# KiCad board S13552_64Ch_Adapter_BGA2803_V2-Pannel.kicad_pcb (continued)
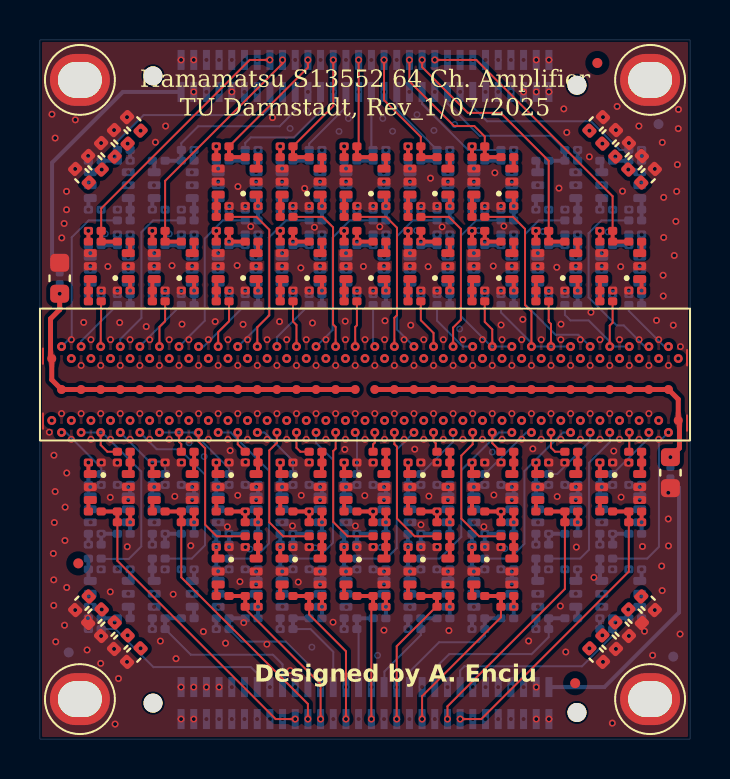
[diagram p0: board, top side]
## Placement (name value [footprint] x y rotation side) (continued)
U27  BGA2803  [SOT-363_SC-70-6_BGA2803]  13.07 12.62 0 top
U28  BGA2803  [SOT-363_SC-70-6_BGA2803]  22.67 8.39 0 top
U29  BGA2803  [SOT-363_SC-70-6_BGA2803]  3.47 12.62 0 top
U30  BGA2803  [SOT-363_SC-70-6_BGA2803]  16.27 12.62 0 top
U31  BGA2803  [SOT-363_SC-70-6_BGA2803]  16.27 7.27 180 bottom
U32  BGA2803  [SOT-363_SC-70-6_BGA2803]  3.47 11.5 180 bottom
U33  BGA2803  [SOT-363_SC-70-6_BGA2803]  19.47 7.27 180 bottom
U34  BGA2803  [SOT-363_SC-70-6_BGA2803]  19.47 23.5 0 bottom
U35  BGA2803  [SOT-363_SC-70-6_BGA2803]  19.47 11.5 180 bottom
U36  BGA2803  [SOT-363_SC-70-6_BGA2803]  6.67 7.27 180 bottom
U37  BGA2803  [SOT-363_SC-70-6_BGA2803]  13.07 11.5 180 bottom
U38  BGA2803  [SOT-363_SC-70-6_BGA2803]  19.47 27.73 0 bottom
U39  BGA2803  [SOT-363_SC-70-6_BGA2803]  3.47 27.73 0 bottom
U40  BGA2803  [SOT-363_SC-70-6_BGA2803]  22.67 11.5 180 bottom
U41  BGA2803  [SOT-363_SC-70-6_BGA2803]  16.27 23.5 0 bottom
U42  BGA2803  [SOT-363_SC-70-6_BGA2803]  29.07 23.5 0 bottom
U43  BGA2803  [SOT-363_SC-70-6_BGA2803]  9.87 11.5 180 bottom
U44  BGA2803  [SOT-363_SC-70-6_BGA2803]  13.07 27.73 0 bottom
U45  BGA2803  [SOT-363_SC-70-6_BGA2803]  22.67 23.5 0 bottom
U46  BGA2803  [SOT-363_SC-70-6_BGA2803]  13.07 23.5 0 bottom
U47  BGA2803  [SOT-363_SC-70-6_BGA2803]  29.07 27.73 0 bottom
U48  BGA2803  [SOT-363_SC-70-6_BGA2803]  3.47 23.5 0 bottom
U49  BGA2803  [SOT-363_SC-70-6_BGA2803]  9.87 7.27 180 bottom
U50  BGA2803  [SOT-363_SC-70-6_BGA2803]  9.87 23.5 0 bottom
U51  BGA2803  [SOT-363_SC-70-6_BGA2803]  6.67 23.5 0 bottom
U52  BGA2803  [SOT-363_SC-70-6_BGA2803]  13.07 7.27 180 bottom
U53  BGA2803  [SOT-363_SC-70-6_BGA2803]  9.87 27.73 0 bottom
U54  BGA2803  [SOT-363_SC-70-6_BGA2803]  25.87 11.5 180 bottom
U55  BGA2803  [SOT-363_SC-70-6_BGA2803]  29.07 11.5 180 bottom
U56  BGA2803  [SOT-363_SC-70-6_BGA2803]  6.67 11.5 180 bottom
U57  BGA2803  [SOT-363_SC-70-6_BGA2803]  22.67 27.73 0 bottom
U58  BGA2803  [SOT-363_SC-70-6_BGA2803]  16.27 27.73 0 bottom
U59  BGA2803  [SOT-363_SC-70-6_BGA2803]  25.87 23.5 0 bottom
U60  BGA2803  [SOT-363_SC-70-6_BGA2803]  25.87 7.27 180 bottom
U61  BGA2803  [SOT-363_SC-70-6_BGA2803]  6.67 27.73 0 bottom
U62  BGA2803  [SOT-363_SC-70-6_BGA2803]  3.47 7.27 180 bottom
U63  BGA2803  [SOT-363_SC-70-6_BGA2803]  25.87 27.73 0 bottom
U64  BGA2803  [SOT-363_SC-70-6_BGA2803]  29.07 7.27 180 bottom
U65  BGA2803  [SOT-363_SC-70-6_BGA2803]  16.27 11.5 180 bottom
U66  BGA2803  [SOT-363_SC-70-6_BGA2803]  22.67 7.27 180 bottom
U201  BGA2803  [SOT-363_SC-70-6_BGA2803]  3.47 23.68 180 top

## Library data of the parts
C1-C342 = -: Description: Unpolarized capacitor; ki_fp_filters: C_*
FID1-FID6 = -: Description: Fiducial Marker; ki_fp_filters: Fiducial*
H101-H104 = -: Description: Mounting Hole without connection; ki_fp_filters: MountingHole*
J1 J2 = -: MF: Samtec; MAXIMUM_PACKAGE_HEIGHT: 3.98mm; Package: None; Price: None; Check_prices: https://www.snapeda.com/parts/ERM6-30-01.5-L-DV-A-K-TR/Samtec/view-part/?ref=eda; STANDARD: Manufacturer Recommendations; PARTREV: C; SnapEDA_Link: https://www.snapeda.com/parts/ERM6-30-01.5-L-DV-A-K-TR/Samtec/view-part/?ref=snap; Description_1: 60 Position Connector Header, Center Strip Contacts Surface Mount Gold; Availability: In Stock; MANUFACTURER: Samtec
R1 R2 R6-R68 R201 = -: Description: Resistor; ki_fp_filters: R_*
U4-U66 U201 = -: Datasheet: https://www.nxp.com/docs/en/data-sheet/BGA2803.pdf; Description: MMIC wideband amplifier, DC-2.2GHz, +23.6dB @ 950MHz, 3V, SOT-363; ki_fp_filters: SOT*363*

## Footprints (pads in the part's own frame, mm; a bottom-side part is the same pattern mirrored in y, then rotated)
C_0201_0603Metric
  rrect 0.318x0.36 smd: (-0.345,0) (0.345,0)
  rrect 0.46x0.4 smd: 1(-0.32,0) 2(0.32,0)
C_0402_1005Metric
  rrect 0.56x0.62 smd: 1(-0.48,0) 2(0.48,0)
C_0603_1608Metric
  rrect 0.9x0.95 smd: 1(-0.775,0) 2(0.775,0)
Fiducial_0.5mm_Mask1mm
  round 0.5 smd: (0,0)
MountingHole_2.2mm_M2
  oval 3x2.6 hole 2.2x1.8: 1(0,0)
R_0201_0603Metric
  rrect 0.318x0.36 smd: (-0.345,0) (0.345,0)
  rrect 0.46x0.4 smd: 1(-0.32,0) 2(0.32,0)
S13552
  round 0.45 smd: 1(15.68,1.55) 2(15.19,-2.15) 3(15.19,2.15) 4(14.7,-1.55) 5(14.7,1.55) 6(14.21,-2.15) 7(14.21,2.15) 8(13.72,-1.55) 9(13.72,1.55) 10(13.23,-2.15) 11(13.23,2.15) 12(12.74,-1.55) 13(12.74,1.55) 14(12.25,-2.15) 15(12.25,2.15) 16(11.76,-1.55) 17(11.76,1.55) 18(11.27,-2.15) 19(11.27,2.15) 20(10.78,-1.55) 21(10.78,1.55) 22(10.29,-2.15) 23(10.29,2.15) 24(9.8,-1.55) 25(9.8,1.55) 26(9.31,-2.15) 27(9.31,2.15) 28(8.82,-1.55) 29(8.82,1.55) 30(8.33,-2.15) 31(8.33,2.15) 32(7.84,-1.55) 33(7.84,1.55) 34(7.35,-2.15) 35(7.35,2.15) 36(6.86,-1.55) 37(6.86,1.55) 38(6.37,-2.15) 39(6.37,2.15) 40(5.88,-1.55) 41(5.88,1.55) 42(5.39,-2.15) 43(5.39,2.15) 44(4.9,-1.55) 45(4.9,1.55) 46(4.41,-2.15) 47(4.41,2.15) 48(3.92,-1.55) 49(3.92,1.55) 50(3.43,-2.15) 51(3.43,2.15) 52(2.94,-1.55) 53(2.94,1.55) 54(2.45,-2.15) 55(2.45,2.15) 56(1.96,-1.55) 57(1.96,1.55) 58(1.47,-2.15) 59(1.47,2.15) 60(0.98,-1.55) 61(0.98,1.55) 62(0.49,-2.15) 63(0.49,2.15) 64(0,-1.55) 65(0,1.55) 66(-0.49,-2.15) 67(-0.49,2.15) 68(-0.98,-1.55) 69(-0.98,1.55) 70(-1.47,-2.15) 71(-1.47,2.15) 72(-1.96,-1.55) 73(-1.96,1.55) 74(-2.45,-2.15) 75(-2.45,2.15) 76(-2.94,-1.55) 77(-2.94,1.55) 78(-3.43,-2.15) 79(-3.43,2.15) 80(-3.92,-1.55) 81(-3.92,1.55) 82(-4.41,-2.15) 83(-4.41,2.15) 84(-4.9,-1.55) 85(-4.9,1.55) 86(-5.39,-2.15) 87(-5.39,2.15) 88(-5.88,-1.55) 89(-5.88,1.55) 90(-6.37,-2.15) 91(-6.37,2.15) 92(-6.86,-1.55) 93(-6.86,1.55) 94(-7.35,-2.15) 95(-7.35,2.15) 96(-7.84,-1.55) 97(-7.84,1.55) 98(-8.33,-2.15) 99(-8.33,2.15) 100(-8.82,-1.55) 101(-8.82,1.55) 102(-9.31,-2.15) 103(-9.31,2.15) 104(-9.8,-1.55) 105(-9.8,1.55) 106(-10.29,-2.15) 107(-10.29,2.15) 108(-10.78,-1.55) 109(-10.78,1.55) 110(-11.27,-2.15) 111(-11.27,2.15) 112(-11.76,-1.55) 113(-11.76,1.55) 114(-12.25,-2.15) 115(-12.25,2.15) 116(-12.74,-1.55) 117(-12.74,1.55) 118(-13.23,-2.15) 119(-13.23,2.15) 120(-13.72,-1.55) 121(-13.72,1.55) 122(-14.21,-2.15) 123(-14.21,2.15) 124(-14.7,-1.55) 125(-14.7,1.55) 126(-15.19,-2.15) 127(-15.19,2.15) 128(-15.68,-1.55) HV_1-64(0.49,0) HV_1-64(1.47,0) HV_1-64(2.45,0) HV_1-64(3.43,0) HV_1-64(4.41,0) HV_1-64(5.39,0) HV_1-64(6.37,0) HV_1-64(7.35,0) HV_1-64(8.33,0) HV_1-64(9.31,0) HV_1-64(10.29,0) HV_1-64(11.27,0) HV_1-64(12.25,0) HV_1-64(13.23,0) HV_1-64(14.21,0) HV_1-64(15.19,0) HV_1-64(15.68,-1.55) HV_65-128(-15.68,1.55) HV_65-128(-15.19,0) HV_65-128(-14.21,0) HV_65-128(-13.23,0) HV_65-128(-12.25,0) HV_65-128(-11.27,0) HV_65-128(-10.29,0) HV_65-128(-9.31,0) HV_65-128(-8.33,0) HV_65-128(-7.35,0) HV_65-128(-6.37,0) HV_65-128(-5.39,0) HV_65-128(-4.41,0) HV_65-128(-3.43,0) HV_65-128(-2.45,0) HV_65-128(-1.47,0) HV_65-128(-0.49,0)
SAMTEC_ERM6-30-01.5-L-DV-A-K-TR
  round 0.95 hole 0.95 unplated: (-10.61,0) (10.61,0.47)
  rect 0.35x1 smd: 01(-9.207,-0.8) 02(-9.207,0.8) 03(-8.572,-0.8) 04(-8.572,0.8) 05(-7.938,-0.8) 06(-7.938,0.8) 07(-7.303,-0.8) 08(-7.303,0.8) 09(-6.668,-0.8) 10(-6.668,0.8) 11(-6.032,-0.8) 12(-6.032,0.8) 13(-5.397,-0.8) 14(-5.397,0.8) 15(-4.763,-0.8) 16(-4.763,0.8) 17(-4.128,-0.8) 18(-4.128,0.8) 19(-3.493,-0.8) 20(-3.493,0.8) 21(-2.857,-0.8) 22(-2.857,0.8) 23(-2.223,-0.8) 24(-2.223,0.8) 25(-1.587,-0.8) 26(-1.587,0.8) 27(-0.953,-0.8) 28(-0.953,0.8) 29(-0.318,-0.8) 30(-0.318,0.8) 31(0.318,-0.8) 32(0.318,0.8) 33(0.953,-0.8) 34(0.953,0.8) 35(1.587,-0.8) 36(1.587,0.8) 37(2.223,-0.8) 38(2.223,0.8) 39(2.857,-0.8) 40(2.857,0.8) 41(3.493,-0.8) 42(3.493,0.8) 43(4.128,-0.8) 44(4.128,0.8) 45(4.763,-0.8) 46(4.763,0.8) 47(5.397,-0.8) 48(5.397,0.8) 49(6.032,-0.8) 50(6.032,0.8) 51(6.668,-0.8) 52(6.668,0.8) 53(7.303,-0.8) 54(7.303,0.8) 55(7.938,-0.8) 56(7.938,0.8) 57(8.572,-0.8) 58(8.572,0.8) 59(9.207,-0.8) 60(9.207,0.8)
SOT-363_SC-70-6_BGA2803
  rrect 0.65x0.4 smd: 1(-0.95,0.65) 2(-0.95,0) 3(-0.95,-0.65) 4(0.95,-0.65) 5(0.95,0) 6(0.95,0.65)

## Nets
+1V1: C7.2 C12.2 C17.2 C22.2 C27.2 C32.2 C37.2 C42.2 C47.2 C52.2 C57.2 C62.2 C67.2 C72.2 C77.2 C82.2 C87.2 C92.2 C97.2 C102.2 C107.2 C112.2 C117.2 C122.2 C127.2 C132.2 C137.2 C142.2 C147.2 C152.2 C157.2 C162.2 C167.2 C172.2 C177.2 C182.2 C187.2 C192.2 C197.2 C202.2 C207.2 C212.2 C217.2 C222.2 C227.2 C232.2 C237.2 C242.2 C247.2 C252.2 C257.2 C262.2 C267.2 C272.2 C277.2 C282.2 C287.2 C292.2 C297.2 C302.2 C307.2 C312.2 C317.2 C322.2 C323.1 C324.1 C325.1 C326.1 C327.1 C328.1 C329.1 C330.1 C331.1 C332.1 C333.1 C334.1 C335.1 C336.1 C337.1 C338.1 C339.1 C340.1 C341.1 C342.1 J1.05 J1.07 J1.09 J1.11 J2.50 J2.52 J2.54 J2.56 R6.2 R7.2 R8.2 R9.2 R10.2 R11.2 R12.2 R13.2 R14.2 R15.2 R16.2 R17.2 R18.2 R19.2 R20.2 R21.2 R22.2 R23.2 R24.2 R25.2 R26.2 R27.2 R28.2 R29.2 R30.2 R31.2 R32.2 R33.2 R34.2 R35.2 R36.2 R37.2 R38.2 R39.2 R40.2 R41.2 R42.2 R43.2 R44.2 R45.2 R46.2 R47.2 R48.2 R49.2 R50.2 R51.2 R52.2 R53.2 R54.2 R55.2 R56.2 R57.2 R58.2 R59.2 R60.2 R61.2 R62.2 R63.2 R64.2 R65.2 R66.2 R67.2 R68.2 R201.2
+3V3: C4.1 C9.1 C14.1 C19.1 C24.1 C29.1 C34.1 C39.1 C44.1 C49.1 C54.1 C59.1 C64.1 C69.1 C74.1 C79.1 C84.1 C89.1 C94.1 C99.1 C104.1 C109.1 C114.1 C119.1 C124.1 C129.1 C134.1 C139.1 C144.1 C149.1 C154.1 C159.1 C164.1 C169.1 C174.1 C179.1 C184.1 C189.1 C194.1 C199.1 C204.1 C209.1 C214.1 C219.1 C224.1 C229.1 C234.1 C239.1 C244.1 C249.1 C254.1 C259.1 C264.1 C269.1 C274.1 C279.1 C284.1 C289.1 C294.1 C299.1 C304.1 C309.1 C314.1 C319.1 J1.47 J1.49 J1.51 J1.53 J1.55 J2.06 J2.08 J2.10 J2.12 J2.14 U4.1 U5.1 U6.1 U7.1 U8.1 U9.1 U10.1 U11.1 U12.1 U13.1 U14.1 U15.1 U16.1 U17.1 U18.1 U19.1 U20.1 U21.1 U22.1 U23.1 U24.1 U25.1 U26.1 U27.1 U28.1 U29.1 U30.1 U31.1 U32.1 U33.1 U34.1 U35.1 U36.1 U37.1 U38.1 U39.1 U40.1 U41.1 U42.1 U43.1 U44.1 U45.1 U46.1 U47.1 U48.1 U49.1 U50.1 U51.1 U52.1 U53.1 U54.1 U55.1 U56.1 U57.1 U58.1 U59.1 U60.1 U61.1 U62.1 U63.1 U64.1 U65.1 U66.1 U201.1
GND: C1.2 C2.2 C4.2 C5.1 C9.2 C10.1 C14.2 C15.1 C19.2 C20.1 C24.2 C25.1 C29.2 C30.1 C34.2 C35.1 C39.2 C40.1 C44.2 C45.1 C49.2 C50.1 C54.2 C55.1 C59.2 C60.1 C64.2 C65.1 C69.2 C70.1 C74.2 C75.1 C79.2 C80.1 C84.2 C85.1 C89.2 C90.1 C94.2 C95.1 C99.2 C100.1 C104.2 C105.1 C109.2 C110.1 C114.2 C115.1 C119.2 C120.1 C124.2 C125.1 C129.2 C130.1 C134.2 C135.1 C139.2 C140.1 C144.2 C145.1 C149.2 C150.1 C154.2 C155.1 C159.2 C160.1 C164.2 C165.1 C169.2 C170.1 C174.2 C175.1 C179.2 C180.1 C184.2 C185.1 C189.2 C190.1 C194.2 C195.1 C199.2 C200.1 C204.2 C205.1 C209.2 C210.1 C214.2 C215.1 C219.2 C220.1 C224.2 C225.1 C229.2 C230.1 C234.2 C235.1 C239.2 C240.1 C244.2 C245.1 C249.2 C250.1 C254.2 C255.1 C259.2 C260.1 C264.2 C265.1 C269.2 C270.1 C274.2 C275.1 C279.2 C280.1 C284.2 C285.1 C289.2 C290.1 C294.2 C295.1 C299.2 C300.1 C304.2 C305.1 C309.2 C310.1 C314.2 C315.1 C319.2 C320.1 C323.2 C324.2 C325.2 C326.2 C327.2 C328.2 C329.2 C330.2 C331.2 C332.2 C333.2 C334.2 C335.2 C336.2 C337.2 C338.2 C339.2 C340.2 C341.2 C342.2 H101.1 H102.1 H103.1 H104.1 J1.01 J1.03 J1.04 J1.06 J1.08 J1.10 J1.12 J1.13 J1.43 J1.45 J1.50 J1.52 J1.54 J1.56 J1.57 J1.58 J1.59 J1.60 J2.01 J2.02 J2.03 J2.04 J2.05 J2.07 J2.09 J2.11 J2.16 J2.18 J2.48 J2.49 J2.51 J2.53 J2.55 J2.57 J2.58 J2.60 U4.2 U4.4 U4.5 U5.2 U5.4 U5.5 U6.2 U6.4 U6.5 U7.2 U7.4 U7.5 U8.2 U8.4 U8.5 U9.2 U9.4 U9.5 U10.2 U10.4 U10.5 U11.2 U11.4 U11.5 U12.2 U12.4 U12.5 U13.2 U13.4 U13.5 U14.2 U14.4 U14.5 U15.2 U15.4 U15.5 U16.2 U16.4 U16.5 U17.2 U17.4 U17.5 U18.2 U18.4 U18.5 U19.2 U19.4 U19.5 U20.2 U20.4 U20.5 U21.2 U21.4 U21.5 U22.2 U22.4 U22.5 U23.2 U23.4 U23.5 U24.2 U24.4 U24.5 U25.2 U25.4 U25.5 U26.2 U26.4 U26.5 U27.2 U27.4 U27.5 U28.2 U28.4 U28.5 U29.2 U29.4 U29.5 U30.2 U30.4 U30.5 U31.2 U31.4 U31.5 U32.2 U32.4 U32.5 U33.2 U33.4 U33.5 U34.2 U34.4 U34.5 U35.2 U35.4 U35.5 U36.2 U36.4 U36.5 U37.2 U37.4 U37.5 U38.2 U38.4 U38.5 U39.2 U39.4 U39.5 U40.2 U40.4 U40.5 U41.2 U41.4 U41.5 U42.2 U42.4 U42.5 U43.2 U43.4 U43.5 U44.2 U44.4 U44.5 U45.2 U45.4 U45.5 U46.2 U46.4 U46.5 U47.2 U47.4 U47.5 U48.2 U48.4 U48.5 U49.2 U49.4 U49.5 U50.2 U50.4 U50.5 U51.2 U51.4 U51.5 U52.2 U52.4 U52.5 U53.2 U53.4 U53.5 U54.2 U54.4 U54.5 U55.2 U55.4 U55.5 U56.2 U56.4 U56.5 U57.2 U57.4 U57.5 U58.2 U58.4 U58.5 U59.2 U59.4 U59.5 U60.2 U60.4 U60.5 U61.2 U61.4 U61.5 U62.2 U62.4 U62.5 U63.2 U63.4 U63.5 U64.2 U64.4 U64.5 U65.2 U65.4 U65.5 U66.2 U66.4 U66.5 U201.2 U201.4 U201.5
Ch_1: C308.1 MPPC1.1 MPPC1.2
Ch_2: C198.1 MPPC1.3 MPPC1.4
Ch_3: C263.1 MPPC1.5 MPPC1.6
Ch_4: C223.1 MPPC1.7 MPPC1.8
Ch_5: C98.1 MPPC1.9 MPPC1.10
Ch_6: C283.1 MPPC1.11 MPPC1.12
Ch_7: C288.1 MPPC1.13 MPPC1.14
Ch_8: C38.1 MPPC1.15 MPPC1.16
Ch_9: C258.1 MPPC1.17 MPPC1.18
Ch_10: C303.1 MPPC1.19 MPPC1.20
Ch_11: C318.1 MPPC1.21 MPPC1.22
Ch_12: C213.1 MPPC1.23 MPPC1.24
Ch_13: C73.1 MPPC1.25 MPPC1.26
Ch_14: C33.1 MPPC1.27 MPPC1.28
Ch_15: C188.1 MPPC1.29 MPPC1.30
Ch_16: C68.1 MPPC1.31 MPPC1.32
Ch_17: C153.1 MPPC1.33 MPPC1.34
Ch_18: C273.1 MPPC1.35 MPPC1.36
Ch_19: C78.1 MPPC1.37 MPPC1.38
Ch_20: C28.1 MPPC1.39 MPPC1.40
Ch_21: C128.1 MPPC1.41 MPPC1.42
Ch_22: C158.1 MPPC1.43 MPPC1.44
Ch_23: C163.1 MPPC1.45 MPPC1.46
Ch_24: C58.1 MPPC1.47 MPPC1.48
Ch_25: C83.1 MPPC1.49 MPPC1.50
Ch_26: C23.1 MPPC1.51 MPPC1.52
Ch_27: C143.1 MPPC1.53 MPPC1.54
Ch_28: C178.1 MPPC1.55 MPPC1.56
Ch_29: C118.1 MPPC1.57 MPPC1.58
Ch_30: C53.1 MPPC1.59 MPPC1.60
Ch_31: C138.1 MPPC1.61 MPPC1.62
Ch_32: C193.1 MPPC1.63 MPPC1.64
Ch_33: C313.1 MPPC1.65 MPPC1.66
Ch_34: C18.1 MPPC1.67 MPPC1.68
Ch_35: C88.1 MPPC1.69 MPPC1.70
Ch_36: C48.1 MPPC1.71 MPPC1.72
Ch_37: C248.1 MPPC1.73 MPPC1.74
Ch_38: C278.1 MPPC1.75 MPPC1.76
Ch_39: C123.1 MPPC1.77 MPPC1.78
Ch_40: C13.1 MPPC1.79 MPPC1.80
Ch_41: C108.1 MPPC1.81 MPPC1.82
Ch_42: C218.1 MPPC1.83 MPPC1.84
Ch_43: C173.1 MPPC1.85 MPPC1.86
Ch_44: C43.1 MPPC1.87 MPPC1.88
Ch_45: C103.1 MPPC1.89 MPPC1.90
Ch_46: C208.1 MPPC1.91 MPPC1.92
Ch_47: C233.1 MPPC1.93 MPPC1.94
Ch_48: C8.1 MPPC1.95 MPPC1.96
Ch_49: C113.1 MPPC1.97 MPPC1.98
Ch_50: C238.1 MPPC1.99 MPPC1.100
Ch_51: C93.1 MPPC1.101 MPPC1.102
Ch_52: C253.1 MPPC1.103 MPPC1.104
Ch_53: C203.1 MPPC1.105 MPPC1.106
Ch_54: C63.1 MPPC1.107 MPPC1.108
Ch_55: C168.1 MPPC1.109 MPPC1.110
Ch_56: C243.1 MPPC1.111 MPPC1.112
Ch_57: C268.1 MPPC1.113 MPPC1.114
Ch_58: C293.1 MPPC1.115 MPPC1.116
Ch_59: C133.1 MPPC1.117 MPPC1.118
Ch_60: C3.1 MPPC1.119 MPPC1.120
Ch_61: C298.1 MPPC1.121 MPPC1.122
Ch_62: C228.1 MPPC1.123 MPPC1.124
Ch_63: C148.1 MPPC1.125 MPPC1.126
Ch_64: C183.1 MPPC1.127 MPPC1.128
HV_1-64: J2.59 R1.2
HV_65-128: J1.02 R2.2
out_Ch_1: C311.2 C312.1 J2.45 R66.1
out_Ch_2: C201.2 C202.1 J1.46 R44.1
out_Ch_3: C266.2 C267.1 J2.47 R57.1
out_Ch_4: C226.2 C227.1 J1.48 R49.1
out_Ch_5: C101.2 C102.1 J2.46 R24.1
out_Ch_6: C286.2 C287.1 J1.42 R61.1
out_Ch_7: C291.2 C292.1 J2.41 R62.1
out_Ch_8: C41.2 C42.1 J1.41 R12.1
out_Ch_9: C261.2 C262.1 J2.43 R56.1
out_Ch_10: C306.2 C307.1 J1.44 R65.1
out_Ch_11: C321.2 C322.1 J2.37 R68.1
out_Ch_12: C216.2 C217.1 J1.38 R47.1
out_Ch_13: C76.2 C77.1 J2.44 R19.1
out_Ch_14: C36.2 C37.1 J1.39 R11.1
out_Ch_15: C191.2 C192.1 J2.39 R42.1
out_Ch_16: C71.2 C72.1 J1.37 R18.1
out_Ch_17: C156.2 C157.1 J2.33 R35.1
out_Ch_18: C276.2 C277.1 J1.40 R59.1
out_Ch_19: C81.2 C82.1 J2.42 R20.1
out_Ch_20: C31.2 C32.1 J1.35 R10.1
out_Ch_21: C131.2 C132.1 J2.40 R30.1
out_Ch_22: C161.2 C162.1 J1.34 R36.1
out_Ch_23: C166.2 C167.1 J2.35 R37.1
out_Ch_24: C61.2 C62.1 J1.33 R16.1
out_Ch_25: C86.2 C87.1 J2.38 R21.1
out_Ch_26: C26.2 C27.1 J1.31 R9.1
out_Ch_27: C146.2 C147.1 J2.29 R33.1
out_Ch_28: C181.2 C182.1 J1.36 R40.1
out_Ch_29: C121.2 C122.1 J2.36 R28.1
out_Ch_30: C56.2 C57.1 J1.29 R15.1
out_Ch_31: C141.2 C142.1 J2.34 R32.1
out_Ch_32: C196.2 C197.1 J1.30 R43.1
out_Ch_33: C316.2 C317.1 J2.31 R67.1
out_Ch_34: C21.2 C22.1 J1.27 R8.1
out_Ch_35: C91.2 C92.1 J2.32 R22.1
out_Ch_36: C51.2 C52.1 J1.25 R14.1
out_Ch_37: C251.2 C252.1 J2.25 R54.1
out_Ch_38: C281.2 C282.1 J1.32 R60.1
out_Ch_39: C126.2 C127.1 J2.30 R29.1
out_Ch_40: C16.2 C17.1 J1.23 R7.1
out_Ch_41: C111.2 C112.1 J2.28 R26.1
out_Ch_42: C221.2 C222.1 J1.26 R48.1
out_Ch_43: C176.2 C177.1 J2.27 R39.1
out_Ch_44: C46.2 C47.1 J1.21 R13.1
out_Ch_45: C106.2 C107.1 J2.26 R25.1
out_Ch_46: C211.2 C212.1 J1.28 R46.1
out_Ch_47: C236.2 C237.1 J2.21 R51.1
out_Ch_48: C11.2 C12.1 J1.19 R6.1
out_Ch_49: C116.2 C117.1 J2.24 R27.1
out_Ch_50: C241.2 C242.1 J1.22 R52.1
out_Ch_51: C96.2 C97.1 J2.22 R23.1
out_Ch_52: C256.2 C257.1 J1.24 R55.1
out_Ch_53: C206.2 C207.1 J2.23 R45.1
out_Ch_54: C66.2 C67.1 J1.17 R17.1
out_Ch_55: C171.2 C172.1 J2.17 R38.1
out_Ch_56: C246.2 C247.1 J1.18 R53.1
out_Ch_57: C271.2 C272.1 J2.19 R58.1
out_Ch_58: C296.2 C297.1 J1.20 R63.1
out_Ch_59: C136.2 C137.1 J2.20 R31.1
out_Ch_60: C6.2 C7.1 J1.15 R201.1
out_Ch_61: C301.2 C302.1 J2.13 R64.1
out_Ch_62: C231.2 C232.1 J1.14 R50.1
out_Ch_63: C151.2 C152.1 J2.15 R34.1
out_Ch_64: C186.2 C187.1 J1.16 R41.1
Net-(C1-Pad1): C1.1 MPPC1.HV_1-64 R1.1
Net-(C2-Pad1): C2.1 MPPC1.HV_65-128 R2.1
Net-(C3-Pad2): C3.2 C5.2 U201.6
Net-(C6-Pad1): C6.1 U201.3
Net-(C10-Pad2): C8.2 C10.2 U4.6
Net-(C11-Pad1): C11.1 U4.3
Net-(C13-Pad2): C13.2 C15.2 U5.6
Net-(C16-Pad1): C16.1 U5.3
Net-(C18-Pad2): C18.2 C20.2 U6.6
Net-(C21-Pad1): C21.1 U6.3
Net-(C23-Pad2): C23.2 C25.2 U7.6
Net-(C26-Pad1): C26.1 U7.3
Net-(C28-Pad2): C28.2 C30.2 U8.6
Net-(C31-Pad1): C31.1 U8.3
Net-(C33-Pad2): C33.2 C35.2 U9.6
Net-(C36-Pad1): C36.1 U9.3
Net-(C38-Pad2): C38.2 C40.2 U10.6
Net-(C41-Pad1): C41.1 U10.3
Net-(C43-Pad2): C43.2 C45.2 U11.6
Net-(C46-Pad1): C46.1 U11.3
Net-(C48-Pad2): C48.2 C50.2 U12.6
Net-(C51-Pad1): C51.1 U12.3
Net-(C53-Pad2): C53.2 C55.2 U13.6
Net-(C56-Pad1): C56.1 U13.3
Net-(C58-Pad2): C58.2 C60.2 U14.6
Net-(C61-Pad1): C61.1 U14.3
Net-(C63-Pad2): C63.2 C65.2 U15.6
Net-(C66-Pad1): C66.1 U15.3
Net-(C68-Pad2): C68.2 C70.2 U16.6
Net-(C71-Pad1): C71.1 U16.3
Net-(C73-Pad2): C73.2 C75.2 U17.6
Net-(C76-Pad1): C76.1 U17.3
Net-(C78-Pad2): C78.2 C80.2 U18.6
Net-(C81-Pad1): C81.1 U18.3
Net-(C83-Pad2): C83.2 C85.2 U19.6
Net-(C86-Pad1): C86.1 U19.3
Net-(C88-Pad2): C88.2 C90.2 U20.6
Net-(C91-Pad1): C91.1 U20.3
Net-(C93-Pad2): C93.2 C95.2 U21.6
Net-(C96-Pad1): C96.1 U21.3
Net-(C100-Pad2): C98.2 C100.2 U22.6
Net-(C101-Pad1): C101.1 U22.3
Net-(C103-Pad2): C103.2 C105.2 U23.6
Net-(C106-Pad1): C106.1 U23.3
Net-(C108-Pad2): C108.2 C110.2 U24.6
Net-(C111-Pad1): C111.1 U24.3
Net-(C113-Pad2): C113.2 C115.2 U25.6
Net-(C116-Pad1): C116.1 U25.3
Net-(C118-Pad2): C118.2 C120.2 U26.6
Net-(C121-Pad1): C121.1 U26.3
Net-(C123-Pad2): C123.2 C125.2 U27.6
Net-(C126-Pad1): C126.1 U27.3
Net-(C128-Pad2): C128.2 C130.2 U28.6
Net-(C131-Pad1): C131.1 U28.3
Net-(C133-Pad2): C133.2 C135.2 U29.6
Net-(C136-Pad1): C136.1 U29.3
Net-(C138-Pad2): C138.2 C140.2 U30.6
Net-(C141-Pad1): C141.1 U30.3
Net-(C143-Pad2): C143.2 C145.2 U31.6
Net-(C146-Pad1): C146.1 U31.3
Net-(C148-Pad2): C148.2 C150.2 U32.6
Net-(C151-Pad1): C151.1 U32.3
Net-(C153-Pad2): C153.2 C155.2 U33.6
Net-(C156-Pad1): C156.1 U33.3
Net-(C158-Pad2): C158.2 C160.2 U34.6
Net-(C161-Pad1): C161.1 U34.3
Net-(C163-Pad2): C163.2 C165.2 U35.6
Net-(C166-Pad1): C166.1 U35.3
Net-(C168-Pad2): C168.2 C170.2 U36.6
Net-(C171-Pad1): C171.1 U36.3
Net-(C173-Pad2): C173.2 C175.2 U37.6
Net-(C176-Pad1): C176.1 U37.3
Net-(C178-Pad2): C178.2 C180.2 U38.6
Net-(C181-Pad1): C181.1 U38.3
Net-(C183-Pad2): C183.2 C185.2 U39.6
Net-(C186-Pad1): C186.1 U39.3
Net-(C188-Pad2): C188.2 C190.2 U40.6
Net-(C191-Pad1): C191.1 U40.3
Net-(C193-Pad2): C193.2 C195.2 U41.6
Net-(C196-Pad1): C196.1 U41.3
Net-(C198-Pad2): C198.2 C200.2 U42.6
Net-(C201-Pad1): C201.1 U42.3
Net-(C203-Pad2): C203.2 C205.2 U43.6
Net-(C206-Pad1): C206.1 U43.3
Net-(C208-Pad2): C208.2 C210.2 U44.6
Net-(C211-Pad1): C211.1 U44.3
Net-(C213-Pad2): C213.2 C215.2 U45.6
Net-(C216-Pad1): C216.1 U45.3
Net-(C218-Pad2): C218.2 C220.2 U46.6
Net-(C221-Pad1): C221.1 U46.3
Net-(C223-Pad2): C223.2 C225.2 U47.6
Net-(C226-Pad1): C226.1 U47.3
Net-(C228-Pad2): C228.2 C230.2 U48.6
Net-(C231-Pad1): C231.1 U48.3
Net-(C233-Pad2): C233.2 C235.2 U49.6
Net-(C236-Pad1): C236.1 U49.3
Net-(C238-Pad2): C238.2 C240.2 U50.6
Net-(C241-Pad1): C241.1 U50.3
Net-(C243-Pad2): C243.2 C245.2 U51.6
Net-(C246-Pad1): C246.1 U51.3
Net-(C248-Pad2): C248.2 C250.2 U52.6
Net-(C251-Pad1): C251.1 U52.3
Net-(C253-Pad2): C253.2 C255.2 U53.6
Net-(C256-Pad1): C256.1 U53.3
Net-(C258-Pad2): C258.2 C260.2 U54.6
Net-(C261-Pad1): C261.1 U54.3
Net-(C263-Pad2): C263.2 C265.2 U55.6
Net-(C266-Pad1): C266.1 U55.3
Net-(C268-Pad2): C268.2 C270.2 U56.6
Net-(C271-Pad1): C271.1 U56.3
Net-(C273-Pad2): C273.2 C275.2 U57.6
Net-(C276-Pad1): C276.1 U57.3
Net-(C278-Pad2): C278.2 C280.2 U58.6
Net-(C281-Pad1): C281.1 U58.3
Net-(C283-Pad2): C283.2 C285.2 U59.6
Net-(C286-Pad1): C286.1 U59.3
Net-(C288-Pad2): C288.2 C290.2 U60.6
Net-(C291-Pad1): C291.1 U60.3
Net-(C293-Pad2): C293.2 C295.2 U61.6
Net-(C296-Pad1): C296.1 U61.3
Net-(C298-Pad2): C298.2 C300.2 U62.6
Net-(C301-Pad1): C301.1 U62.3
Net-(C303-Pad2): C303.2 C305.2 U63.6
Net-(C306-Pad1): C306.1 U63.3
Net-(C308-Pad2): C308.2 C310.2 U64.6
Net-(C311-Pad1): C311.1 U64.3
Net-(C313-Pad2): C313.2 C315.2 U65.6
Net-(C316-Pad1): C316.1 U65.3
Net-(C318-Pad2): C318.2 C320.2 U66.6
Net-(C321-Pad1): C321.1 U66.3

## Via types
v1: diameter 0.4, hole 0.2, Top to Bottom, 36 vias
v2: diameter 0.4, hole 0.2, Top to In2.Cu, 92 vias
v3: diameter 0.35, hole 0.2, Top to Bottom, 150 vias
v4: diameter 0.35, hole 0.2, Top to GND_In1.Cu, 215 vias
v5: diameter 0.35, hole 0.2, Top to GND_In3.Cu, 64 vias
v6: diameter 0.35, hole 0.2, Top to GND_In8.Cu, 22 vias
v7: diameter 0.35, hole 0.2, Top to GND_In5.Cu, 1 via
v8: diameter 0.35, hole 0.2, GND_In1.Cu to Bottom, 13 vias
v9: diameter 0.35, hole 0.2, GND_In3.Cu to Bottom, 7 vias
v10: diameter 0.35, hole 0.2, GND_In7.Cu to Bottom, 27 vias
v11: diameter 0.35, hole 0.2, GND_In8.Cu to Bottom, 180 vias
v12: diameter 0.35, hole 0.2, Top to 3V3_In4.Cu, 28 vias
v13: diameter 0.35, hole 0.2, 3V3_In4.Cu to Bottom, 46 vias
v14: diameter 0.35, hole 0.2, Top to 1V1_In6.Cu, 48 vias
v15: diameter 0.35, hole 0.2, 1V1_In6.Cu to Bottom, 44 vias
v16: diameter 0.35, hole 0.2, In2.Cu to Bottom, 46 vias
v17: diameter 0.35, hole 0.2, Top to In2.Cu, 10 vias

## Routing (per net, layer and track width the routed paths; a pad name or vN(x,y) marks a point on that pad's centre or on a via; arc(x,y) is an arc through that point)
+1V1: length 34.8
  Top w0.2: v14(20.52,10.85) C87.2 ; v14(2.42,25.44) C7.2 ; v14(23.71,6.62) C132.2 ; v14(21.62,29.67) C72.2 ; v14(20.52,6.62) C122.2 ; v14(12.02,25.44) C17.2 ; v14(24.83,25.44) C37.2 ; v14(15.22,29.67) C57.2 ; v14(15.22,25.44) C22.2 ; v14(4.52,10.85) C137.2 ; v14(23.71,10.85) C82.2 ; v14(17.31,10.85) C142.2 ; v14(21.62,25.44) C32.2 ; v14(28.02,25.44) C42.2 ; v14(7.71,10.85) C97.2 ; v14(8.83,29.67) C47.2 ; v14(17.31,6.62) C92.2 ; v14(18.42,29.67) C62.2 ; v14(14.11,10.85) C127.2 ; v14(12.02,29.67) C52.2 ; v14(30.11,10.85) C102.2 ; v14(14.11,6.62) C112.2 ; v14(10.91,6.62) C117.2 ; v14(18.42,25.44) C27.2 ; v14(26.91,10.85) C77.2 ; v14(10.91,10.85) C107.2 ; v14(8.83,25.44) C12.2 ; v14(5.62,25.44) C67.2
  Bottom w0.2: v15(21.62,9.73) C192.2 ; v15(21.62,5.5) C322.2 ; v15(24.83,5.5) C292.2 ; R41.2 v15(4.52,28.95) ; v15(24.83,9.73) C262.2 ; R66.2 v15(28.02,6.04) ; C182.2 v15(20.52,29.49) ; C227.2 v15(30.11,29.49) ; v15(10.91,25.26) C242.2 ; v15(26.91,25.26) C287.2 ; C282.2 v15(17.31,29.49) ; C297.2 v15(7.71,29.49) ; v15(18.42,9.73) C167.2 ; v15(5.62,5.5) C172.2 ; v15(18.42,5.5) C157.2 ; v15(23.71,25.26) C217.2 ; C247.2 v15(7.71,25.26) ; C197.2 v15(17.31,25.26) ; C277.2 v15(23.71,29.49) ; v15(12.02,9.73) C177.2 ; v15(15.22,5.5) C147.2 ; v15(28.02,9.73) C267.2 ; C222.2 v15(14.11,25.26) ; v15(12.02,5.5) C252.2 ; v15(8.83,9.73) C207.2 ; v15(30.11,25.26) C202.2 ; C232.2 v15(4.52,25.26) 4.52,25.07 ; C257.2 v15(10.91,29.49) ; v15(2.42,5.5) C302.2 ; v15(2.42,9.73) C152.2 ; C212.2 v15(14.11,29.49) ; v15(5.62,9.73) C272.2 ; C162.2 v15(20.52,25.26) ; C307.2 v15(26.91,29.49) ; v15(15.22,9.73) C317.2 ; v15(8.83,5.5) C237.2
  vias: v14(2.44,27.86) v14(2.44,7.14) v14(3.09,28.51) v14(3.09,6.49) v14(3.74,29.16) v14(3.74,5.84) v14(4.39,29.81) v14(4.39,5.19) v14(5.04,30.46) v14(5.04,4.54) v14(27.5,30.46) v14(27.5,4.54) v14(28.15,29.81) v14(28.15,5.19) v14(28.8,29.16) v14(28.8,5.84) v14(29.45,28.51) v14(29.45,6.49) v14(30.1,27.86) v14(30.1,7.14) v15(8.33,34) v15(8.97,34) v15(9.6,34) v15(10.24,34) v15(22.3,1) v15(22.94,1) v15(23.57,1) v15(24.21,1)
+3V3: length 39.3
  Top w0.2: v12(23.71,22.45) 23.71,22.93 U8.1 ; U5.1 14.11,22.93 v12(14.11,22.45) ; v12(7.71,22.45) 7.71,22.93 U15.1 ; v12(24.83,13.84) 24.83,13.36 U17.1 ; U29.1 2.42,13.36 v12(2.42,13.84) ; v12(23.71,26.68) 23.71,27.16 U16.1 ; U27.1 12.02,13.36 v12(12.02,13.84) ; U26.1 18.42,9.13 v12(18.42,9.61) ; v12(17.31,26.68) 17.31,27.16 U13.1 ; U23.1 8.83,13.36 v12(8.83,13.84) ; U24.1 12.02,9.13 v12(12.02,9.61) ; v12(21.62,13.84) 21.62,13.36 U18.1 ; v12(14.11,26.68) 14.11,27.16 U12.1 ; U14.1 20.52,27.16 v12(20.52,26.68) ; v12(5.62,13.84) 5.62,13.36 U21.1 ; v12(15.22,9.61) 15.22,9.13 U20.1 ; U25.1 8.83,9.13 v12(8.83,9.61) ; U7.1 20.52,22.93 v12(20.52,22.45) ; v12(21.62,9.61) 21.62,9.13 U28.1 ; v12(10.91,26.68) 10.91,27.16 U11.1 ; v12(4.52,22.45) 4.52,22.93 U201.1 ; v12(26.91,22.45) 26.91,22.93 U9.1 ; v12(30.11,22.45) 30.11,22.93 U10.1 ; U30.1 15.22,13.36 v12(15.22,13.84) ; U22.1 28.02,13.36 v12(28.02,13.84) ; v12(10.91,22.45) 10.91,22.93 U4.1 ; v12(17.31,22.45) 17.31,22.93 U6.1 ; U19.1 18.42,13.36 v12(18.42,13.84)
  Bottom w0.2: U47.1 28.02,26.98 v13(28.02,26.5) ; U56.1 7.71,12.24 v13(7.71,12.72) ; v13(18.42,22.27) 18.42,22.75 18.52,22.85 ; v13(21.62,26.5) 21.62,26.98 U57.1 ; v13(15.22,26.5) 15.22,26.98 U58.1 ; v13(24.83,22.27) 24.83,22.75 24.92,22.85 ; U60.1 26.91,8.01 v13(26.91,8.49) ; v13(4.52,12.72) 4.52,12.24 U32.1 ; v13(28.02,22.27) 28.02,22.75 28.12,22.85 ; v13(30.11,8.49) 30.11,8.01 U64.1 ; U37.1 14.11,12.24 v13(14.11,12.72) ; v13(23.71,8.49) 23.62,8.4 U66.1 ; U39.1 2.42,26.98 v13(2.42,26.5) ; U49.1 10.91,8.01 v13(10.91,8.49) ; 15.32,22.85 15.22,22.75 v13(15.22,22.27) ; U33.1 20.52,8.01 v13(20.52,8.49) ; 8.92,22.85 8.83,22.75 v13(8.83,22.27) ; v13(20.52,12.72) 20.52,12.24 U35.1 ; U43.1 10.91,12.24 v13(10.91,12.72) ; U40.1 23.71,12.24 v13(23.71,12.72) ; 2.52,22.85 2.42,22.75 v13(2.42,22.27) ; v13(17.31,8.49) 17.31,8.01 U31.1 ; U55.1 30.11,12.24 v13(30.11,12.72) ; 12.12,22.85 12.02,22.75 v13(12.02,22.27) ; U61.1 5.62,26.98 v13(5.62,26.5) ; v13(17.31,12.72) 17.31,12.24 U65.1 ; U54.1 26.91,12.24 v13(26.91,12.72) ; U52.1 14.11,8.01 v13(14.11,8.49) ; U36.1 7.71,8.01 v13(7.71,8.49) ; 21.72,22.85 21.62,22.75 v13(21.62,22.27) ; U63.1 24.83,26.98 v13(24.83,26.5) ; U62.1 4.52,8.01 v13(4.52,8.49) ; U53.1 8.83,26.98 v13(8.83,26.5) ; v13(5.62,22.27) 5.62,22.75 5.72,22.85 ; U38.1 18.42,26.98 v13(18.42,26.5) ; U44.1 12.02,26.98 v13(12.02,26.5)
  vias: v13(8.33,1) v13(8.97,1) v13(9.6,1) v13(10.24,1) v13(10.87,1) v13(21.67,34) v13(22.3,34) v13(22.94,34) v13(23.57,34) v13(24.21,34)
